# Altium PCB PCB1.PcbDoc (part 13 of 15) (continued)
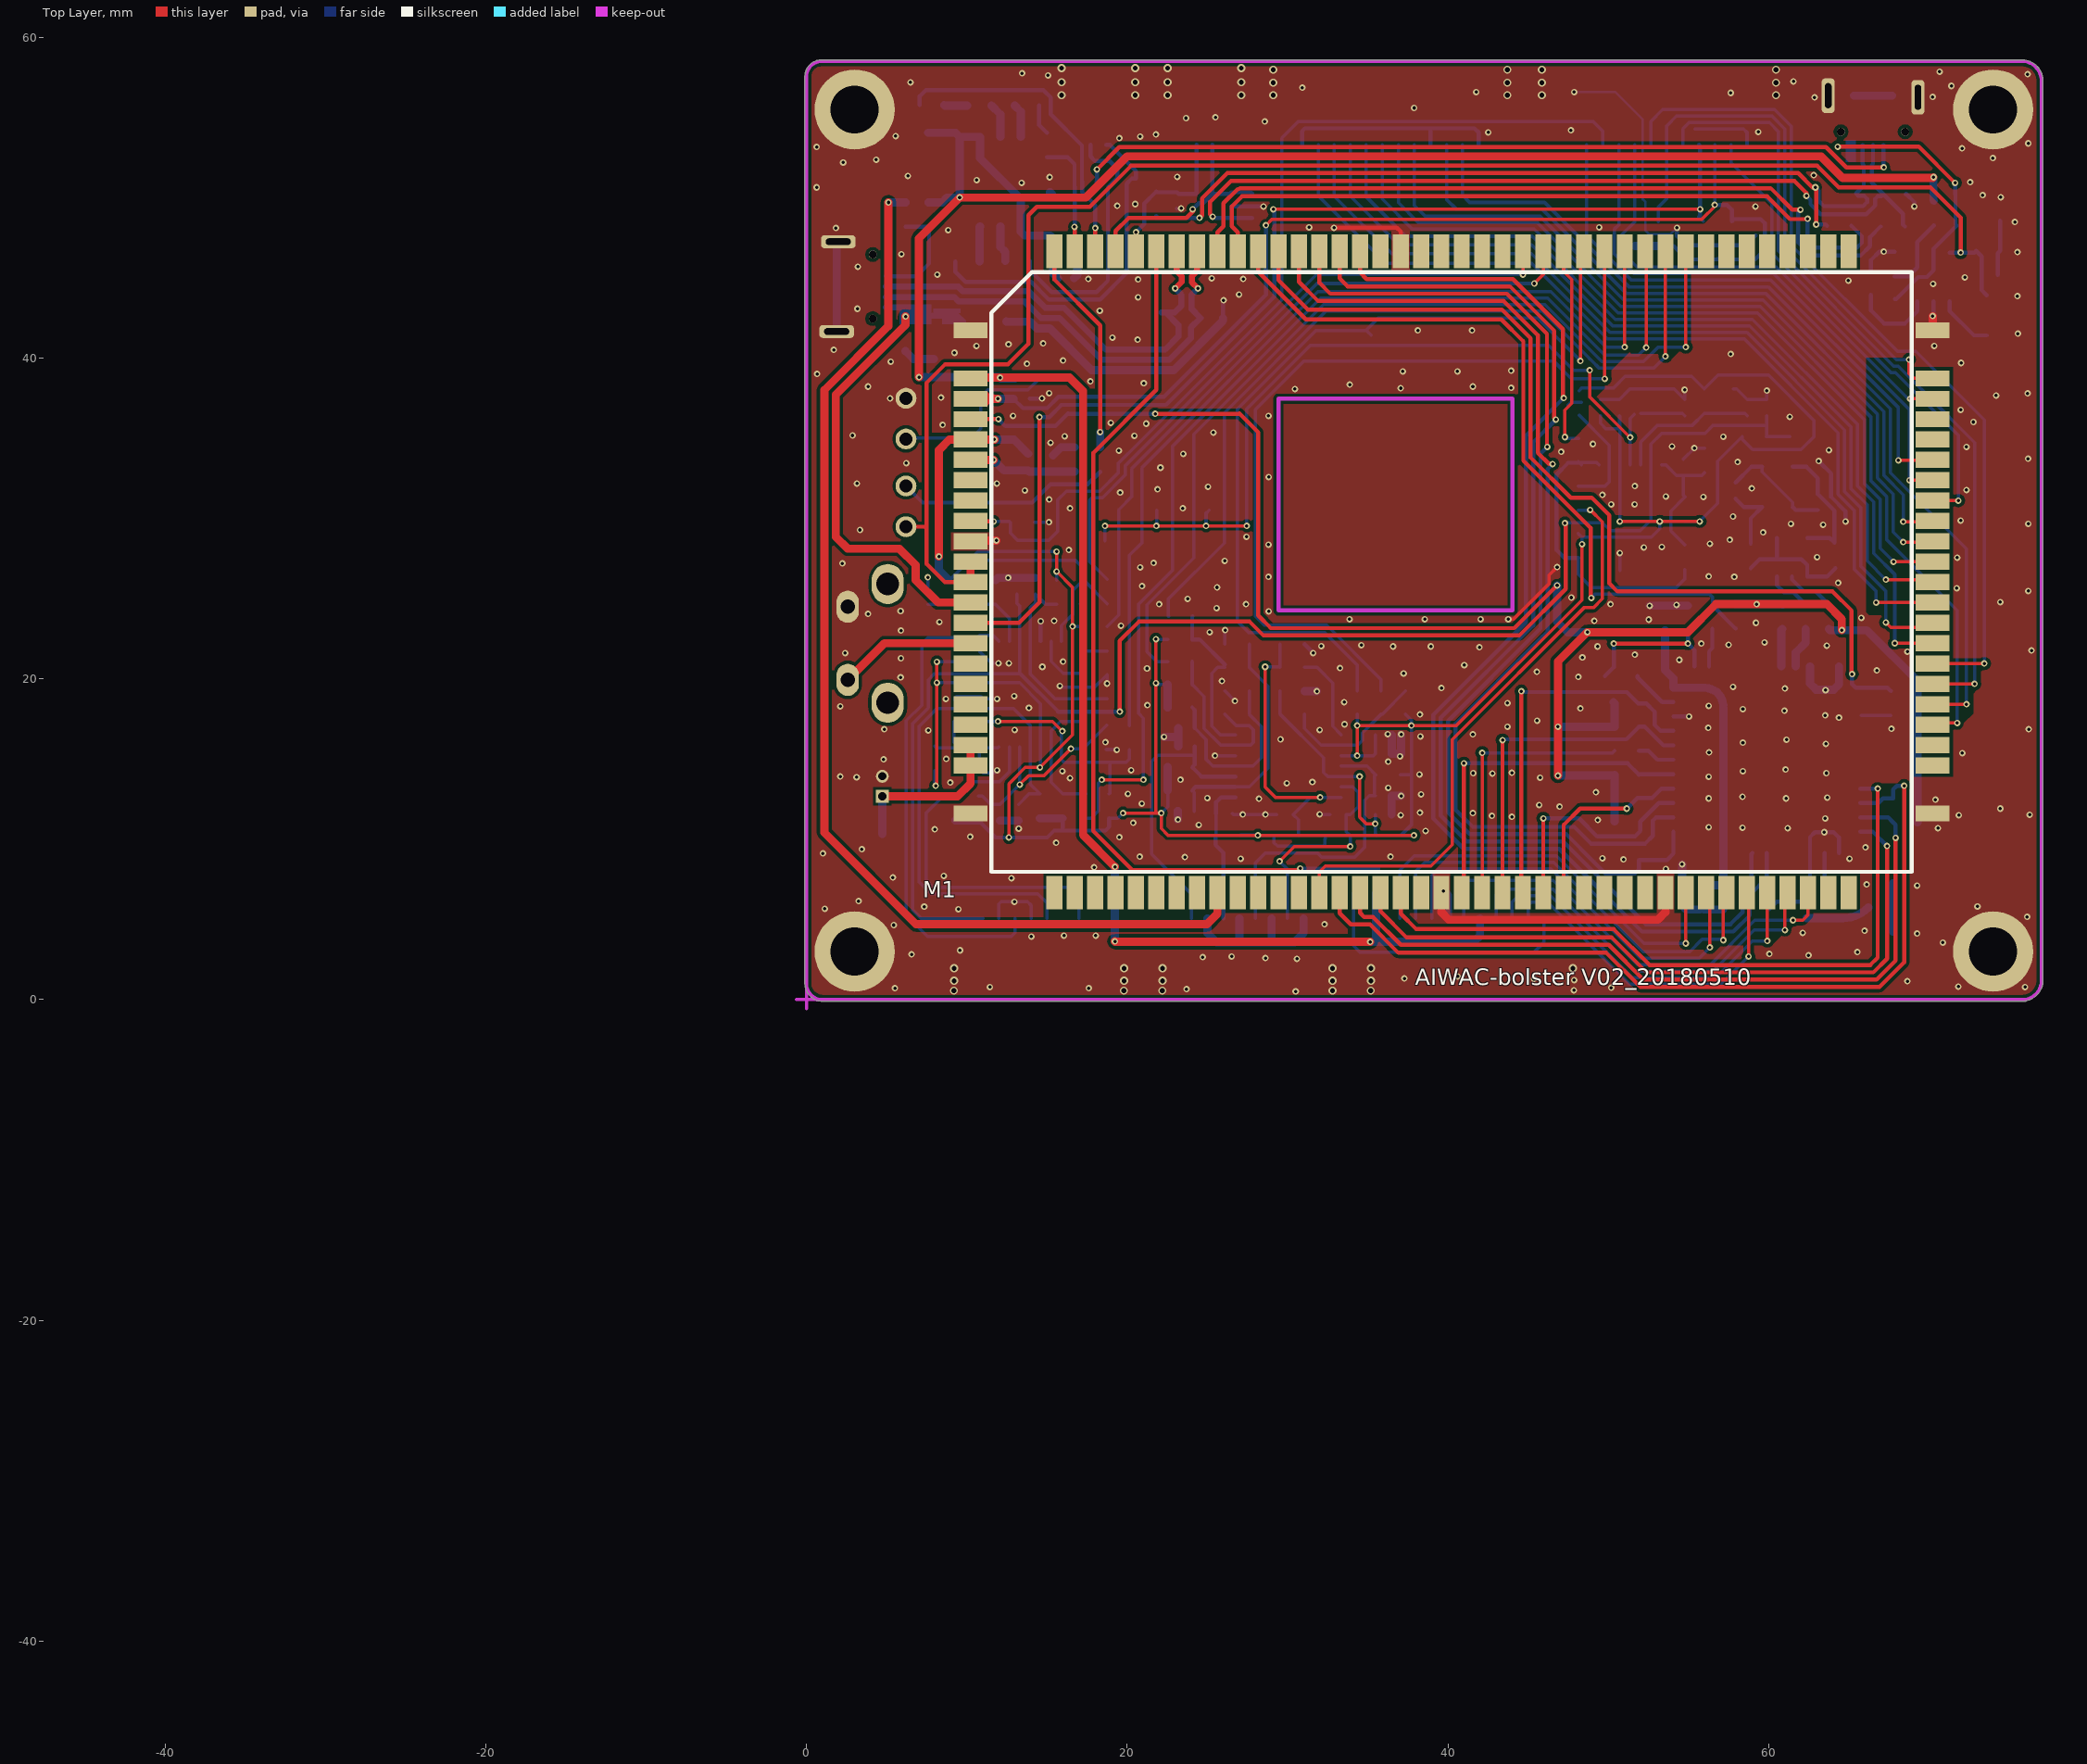
[diagram p0: Top Layer view]
## Free pads (board coordinates) (continued)
1(-45.226,-44.018) 1(-45.226,-44.018) 1(-45.224,-44.014) 1(-45.224,-44.014) 1(-45.224,-44.014) 1(-45.224,-44.012) 1(-45.224,-44.012) 1(-45.224,-44.012) 1(-45.224,-44.012) 1(-45.224,-44.012) 1(-45.224,-44.012) 1(-45.224,-44.005) 1(-45.224,-44.005) 1(-45.224,-44.005) 1(-45.224,-44.005) 1(-45.224,-44.005) 1(-45.224,-44.005) 1(-45.223,-43.975) 1(-45.223,-43.975) 1(-45.223,-43.975) 1(-45.223,-43.975) 1(-45.223,-43.975) 1(-45.223,-43.975) 1(-45.223,-43.974) 1(-45.223,-43.974) 1(-45.223,-43.974) 1(-45.223,-43.975) 1(-45.223,-43.975) 1(-45.223,-43.975)
  round 0.001 on Mech10: 1(-45.291,-44.005) 1(-45.291,-44.005) 1(-45.291,-44.005) 1(-45.291,-44) 1(-45.291,-44) 1(-45.291,-44) 1(-45.289,-44.011) 1(-45.289,-44.011) 1(-45.289,-44.011) 1(-45.287,-43.995) 1(-45.287,-43.995) 1(-45.287,-43.995) 1(-45.287,-43.993) 1(-45.287,-43.993) 1(-45.287,-43.993) 1(-45.287,-43.99) 1(-45.287,-43.99) 1(-45.287,-43.99) 1(-45.287,-43.987) 1(-45.287,-43.987) 1(-45.287,-43.987)
  round 0.002 on Mech14: 1(-45.291,-44.005) 1(-45.291,-44.005) 1(-45.291,-44.005) 1(-45.291,-44.005) 1(-45.291,-44.005) 1(-45.291,-44.005) 1(-45.291,-44.001) 1(-45.291,-44.001) 1(-45.291,-44.001) 1(-45.291,-44) 1(-45.291,-44) 1(-45.291,-44) 1(-45.289,-44.007) 1(-45.289,-44.007) 1(-45.289,-44.007) 1(-45.289,-44.006) 1(-45.289,-44.006) 1(-45.289,-44.006) 1(-45.289,-43.999) 1(-45.289,-43.999) 1(-45.289,-43.999) 1(-45.289,-43.999) 1(-45.289,-43.999) 1(-45.289,-43.999) 1(-45.287,-43.995) 1(-45.287,-43.995) 1(-45.287,-43.995) 1(-45.287,-43.993) 1(-45.287,-43.993) 1(-45.287,-43.993) 1(-45.287,-43.99) 1(-45.287,-43.99) 1(-45.287,-43.99) 1(-45.287,-43.987) 1(-45.287,-43.987) 1(-45.287,-43.987)
  round 0.002 on Mech15: 1(-45.291,-44.005) 1(-45.291,-44.005) 1(-45.291,-44.005) 1(-45.291,-44.005) 1(-45.291,-44.005) 1(-45.291,-44.005) 1(-45.291,-44.001) 1(-45.291,-44.001) 1(-45.291,-44.001) 1(-45.291,-44) 1(-45.291,-44) 1(-45.291,-44) 1(-45.289,-44.007) 1(-45.289,-44.007) 1(-45.289,-44.007) 1(-45.289,-44.006) 1(-45.289,-44.006) 1(-45.289,-44.006) 1(-45.289,-43.999) 1(-45.289,-43.999) 1(-45.289,-43.999) 1(-45.289,-43.999) 1(-45.289,-43.999) 1(-45.289,-43.999) 1(-45.287,-43.995) 1(-45.287,-43.995) 1(-45.287,-43.995) 1(-45.287,-43.993) 1(-45.287,-43.993) 1(-45.287,-43.993) 1(-45.287,-43.99) 1(-45.287,-43.99) 1(-45.287,-43.99) 1(-45.287,-43.987) 1(-45.287,-43.987) 1(-45.287,-43.987)
  round 0.001 on Mech16: 1(-45.291,-44.005) 1(-45.291,-44.005) 1(-45.291,-44.005) 1(-45.291,-44) 1(-45.291,-44) 1(-45.291,-44) 1(-45.287,-43.995) 1(-45.287,-43.995) 1(-45.287,-43.995) 1(-45.287,-43.993) 1(-45.287,-43.993) 1(-45.287,-43.993) 1(-45.287,-43.99) 1(-45.287,-43.99) 1(-45.287,-43.99) 1(-45.287,-43.987) 1(-45.287,-43.987) 1(-45.287,-43.987)
  round 0.005 on Mech3: 1(-45.291,-44.022) 1(-45.291,-44.022) 1(-45.291,-44.022) 1(-45.291,-43.969) 1(-45.291,-43.969) 1(-45.291,-43.969) 1(-45.22,-44.022) 1(-45.22,-44.022) 1(-45.22,-44.022) 1(-45.22,-43.969) 1(-45.22,-43.969) 1(-45.22,-43.969)
  round 0.005 on Mech2: 1(-45.291,-44.022) 1(-45.291,-44.022) 1(-45.291,-44.022) 1(-45.291,-43.969) 1(-45.291,-43.969) 1(-45.291,-43.969) 1(-45.22,-44.022) 1(-45.22,-44.022) 1(-45.22,-44.022) 1(-45.22,-43.969) 1(-45.22,-43.969) 1(-45.22,-43.969)
  round 0.005 on Mech10: 1(-45.291,-44.022) 1(-45.291,-44.022) 1(-45.291,-44.022) 1(-45.291,-43.969) 1(-45.291,-43.969) 1(-45.291,-43.969) 1(-45.22,-44.022) 1(-45.22,-44.022) 1(-45.22,-44.022) 1(-45.22,-43.969) 1(-45.22,-43.969) 1(-45.22,-43.969)
  round 0.005 on Mech14: 1(-45.291,-44.022) 1(-45.291,-44.022) 1(-45.291,-44.022) 1(-45.291,-43.969) 1(-45.291,-43.969) 1(-45.291,-43.969) 1(-45.22,-44.022) 1(-45.22,-44.022) 1(-45.22,-44.022) 1(-45.22,-43.969) 1(-45.22,-43.969) 1(-45.22,-43.969)
  round 0.005 on Mech15: 1(-45.291,-44.022) 1(-45.291,-44.022) 1(-45.291,-44.022) 1(-45.291,-43.969) 1(-45.291,-43.969) 1(-45.291,-43.969) 1(-45.22,-44.022) 1(-45.22,-44.022) 1(-45.22,-44.022) 1(-45.22,-43.969) 1(-45.22,-43.969) 1(-45.22,-43.969)
  round 0 on Mech5: 1(-45.29,-44.017) 1(-45.29,-44.017) 1(-45.29,-44.017) 1(-45.29,-44.017) 1(-45.29,-44.017) 1(-45.29,-44.017) 1(-45.29,-44.014) 1(-45.29,-44.014) 1(-45.29,-44.014) 1(-45.29,-44.014) 1(-45.29,-44.014) 1(-45.29,-44.014) 1(-45.289,-44.015) 1(-45.289,-44.015) 1(-45.289,-44.015) 1(-45.289,-44.016) 1(-45.289,-44.016) 1(-45.289,-44.016) 1(-45.289,-44.015) 1(-45.289,-44.015) 1(-45.289,-44.015) 1(-45.288,-44.015) 1(-45.288,-44.015) 1(-45.288,-44.015) 1(-45.288,-44.017) 1(-45.288,-44.017) 1(-45.288,-44.017) 1(-45.288,-44.017) 1(-45.288,-44.017) 1(-45.288,-44.017) 1(-45.288,-44.014) 1(-45.288,-44.014) 1(-45.288,-44.014) 1(-45.288,-44.014) 1(-45.288,-44.014) 1(-45.288,-44.014) 1(-45.287,-43.972) 1(-45.287,-43.972) 1(-45.287,-43.972) 1(-45.286,-43.984) 1(-45.286,-43.984) 1(-45.286,-43.984) 1(-45.286,-43.973) 1(-45.286,-43.973) 1(-45.286,-43.973) 1(-45.286,-43.972) 1(-45.286,-43.972) 1(-45.286,-43.972) 1(-45.286,-43.984) 1(-45.286,-43.984) 1(-45.286,-43.984) 1(-45.286,-43.983) 1(-45.286,-43.983) 1(-45.286,-43.983) 1(-45.286,-43.972) 1(-45.286,-43.972) 1(-45.286,-43.972) 1(-45.285,-43.984) 1(-45.285,-43.984) 1(-45.285,-43.984) 1(-45.283,-43.983) 1(-45.283,-43.983) 1(-45.283,-43.983) 1(-45.283,-43.983) 1(-45.283,-43.983) 1(-45.283,-43.983) 1(-45.283,-43.982) 1(-45.283,-43.982) 1(-45.283,-43.982) 1(-45.282,-43.983) 1(-45.282,-43.983) 1(-45.282,-43.983) 1(-45.282,-43.996) 1(-45.282,-43.996) 1(-45.282,-43.996) 1(-45.282,-43.996) 1(-45.282,-43.996) 1(-45.282,-43.996) 1(-45.282,-43.994) 1(-45.282,-43.994) 1(-45.282,-43.994) 1(-45.282,-43.994) 1(-45.282,-43.994) 1(-45.282,-43.994) 1(-45.281,-43.995) 1(-45.281,-43.995) 1(-45.281,-43.995) 1(-45.28,-43.996) 1(-45.28,-43.996) 1(-45.28,-43.996) 1(-45.28,-43.995) 1(-45.28,-43.995) 1(-45.28,-43.995) 1(-45.28,-43.995) 1(-45.28,-43.995) 1(-45.28,-43.995) 1(-45.279,-43.976) 1(-45.279,-43.976) 1(-45.279,-43.976) 1(-45.279,-43.996) 1(-45.279,-43.996) 1(-45.279,-43.996) 1(-45.279,-43.996) 1(-45.279,-43.996) 1(-45.279,-43.996) 1(-45.279,-43.994) 1(-45.279,-43.994) 1(-45.279,-43.994) 1(-45.279,-43.994) 1(-45.279,-43.994) 1(-45.279,-43.994) 1(-45.278,-43.976) 1(-45.278,-43.976) 1(-45.278,-43.976) 1(-45.278,-43.975) 1(-45.278,-43.975) 1(-45.278,-43.975) 1(-45.278,-43.976) 1(-45.278,-43.976) 1(-45.278,-43.976) 1(-45.239,-43.979) 1(-45.239,-43.979) 1(-45.239,-43.979) 1(-45.239,-43.979) 1(-45.239,-43.979) 1(-45.239,-43.979) 1(-45.239,-43.976) 1(-45.239,-43.976) 1(-45.239,-43.976) 1(-45.239,-43.976) 1(-45.239,-43.976) 1(-45.239,-43.976) 1(-45.238,-43.977) 1(-45.238,-43.977) 1(-45.238,-43.977) 1(-45.238,-43.978) 1(-45.238,-43.978) 1(-45.238,-43.978) 1(-45.238,-43.977) 1(-45.238,-43.977) 1(-45.238,-43.977) 1(-45.237,-43.977) 1(-45.237,-43.977) 1(-45.237,-43.977) 1(-45.237,-43.979) 1(-45.237,-43.979) 1(-45.237,-43.979) 1(-45.237,-43.979) 1(-45.237,-43.979) 1(-45.237,-43.979) 1(-45.237,-43.976) 1(-45.237,-43.976) 1(-45.237,-43.976) 1(-45.237,-43.976) 1(-45.237,-43.976) 1(-45.237,-43.976) 1(-45.237,-43.979) 1(-45.237,-43.979) 1(-45.237,-43.979) 1(-45.237,-43.979) 1(-45.237,-43.979) 1(-45.237,-43.979) 1(-45.237,-43.976) 1(-45.237,-43.976) 1(-45.237,-43.976) 1(-45.237,-43.976) 1(-45.237,-43.976) 1(-45.237,-43.976) 1(-45.236,-43.977) 1(-45.236,-43.977) 1(-45.236,-43.977) 1(-45.236,-43.978) 1(-45.236,-43.978) 1(-45.236,-43.978) 1(-45.236,-43.977) 1(-45.236,-43.977) 1(-45.236,-43.977) 1(-45.235,-43.977) 1(-45.235,-43.977) 1(-45.235,-43.977) 1(-45.235,-43.979) 1(-45.235,-43.979) 1(-45.235,-43.979) 1(-45.235,-43.979) 1(-45.235,-43.979) 1(-45.235,-43.979) 1(-45.235,-43.976) 1(-45.235,-43.976) 1(-45.235,-43.976) 1(-45.235,-43.976) 1(-45.235,-43.976) 1(-45.235,-43.976) 1(-45.221,-43.979) 1(-45.221,-43.979) 1(-45.221,-43.979) 1(-45.221,-43.979) 1(-45.221,-43.979) 1(-45.221,-43.979) 1(-45.221,-43.977) 1(-45.221,-43.977) 1(-45.221,-43.977) 1(-45.221,-43.977) 1(-45.221,-43.977) 1(-45.221,-43.977) 1(-45.221,-43.976) 1(-45.221,-43.976) 1(-45.221,-43.976) 1(-45.221,-43.977) 1(-45.221,-43.977) 1(-45.221,-43.977) 1(-45.221,-43.976) 1(-45.221,-43.976) 1(-45.221,-43.976) 1(-45.22,-43.978) 1(-45.22,-43.978) 1(-45.22,-43.978) 1(-45.22,-43.976) 1(-45.22,-43.976) 1(-45.22,-43.976) 1(-45.22,-43.979) 1(-45.22,-43.979) 1(-45.22,-43.979) 1(-45.22,-43.978) 1(-45.22,-43.978) 1(-45.22,-43.978) 1(-45.219,-43.978) 1(-45.219,-43.978) 1(-45.219,-43.978) 1(-45.219,-43.979) 1(-45.219,-43.979) 1(-45.219,-43.979) 1(-45.219,-43.979) 1(-45.219,-43.979) 1(-45.219,-43.979) 1(-45.219,-43.977) 1(-45.219,-43.977) 1(-45.219,-43.977) 1(-45.219,-43.977) 1(-45.219,-43.977) 1(-45.219,-43.977)
  round 0 on Mech4: 1(-45.29,-44.016) 1(-45.29,-44.016) 1(-45.29,-44.016) 1(-45.29,-44.016) 1(-45.29,-44.016) 1(-45.29,-44.016) 1(-45.29,-44.014) 1(-45.29,-44.014) 1(-45.29,-44.014) 1(-45.29,-44.014) 1(-45.29,-44.014) 1(-45.29,-44.014) 1(-45.288,-44.016) 1(-45.288,-44.016) 1(-45.288,-44.016) 1(-45.288,-44.016) 1(-45.288,-44.016) 1(-45.288,-44.016) 1(-45.288,-44.014) 1(-45.288,-44.014) 1(-45.288,-44.014) 1(-45.288,-44.014) 1(-45.288,-44.014) 1(-45.288,-44.014) 1(-45.287,-43.974) 1(-45.287,-43.974) 1(-45.287,-43.974) 1(-45.287,-43.974) 1(-45.287,-43.974) 1(-45.287,-43.974) 1(-45.287,-43.971) 1(-45.287,-43.971) 1(-45.287,-43.971) 1(-45.287,-43.971) 1(-45.287,-43.971) 1(-45.287,-43.971) 1(-45.287,-43.985) 1(-45.287,-43.985) 1(-45.287,-43.985) 1(-45.287,-43.985) 1(-45.287,-43.985) 1(-45.287,-43.985) 1(-45.287,-43.982) 1(-45.287,-43.982) 1(-45.287,-43.982) 1(-45.287,-43.982) 1(-45.287,-43.982) 1(-45.287,-43.982) 1(-45.285,-43.974) 1(-45.285,-43.974) 1(-45.285,-43.974) 1(-45.285,-43.974) 1(-45.285,-43.974) 1(-45.285,-43.974) 1(-45.285,-43.971) 1(-45.285,-43.971) 1(-45.285,-43.971) 1(-45.285,-43.971) 1(-45.285,-43.971) 1(-45.285,-43.971) 1(-45.285,-43.985) 1(-45.285,-43.985) 1(-45.285,-43.985) 1(-45.285,-43.985) 1(-45.285,-43.985) 1(-45.285,-43.985) 1(-45.285,-43.982) 1(-45.285,-43.982) 1(-45.285,-43.982) 1(-45.285,-43.982) 1(-45.285,-43.982) 1(-45.285,-43.982) 1(-45.284,-43.984) 1(-45.284,-43.984) 1(-45.284,-43.984) 1(-45.284,-43.984) 1(-45.284,-43.984) 1(-45.284,-43.984) 1(-45.284,-43.982) 1(-45.284,-43.982) 1(-45.284,-43.982) 1(-45.284,-43.982) 1(-45.284,-43.982) 1(-45.284,-43.982) 1(-45.281,-43.996) 1(-45.281,-43.996) 1(-45.281,-43.996) 1(-45.281,-43.996) 1(-45.281,-43.996) 1(-45.281,-43.996) 1(-45.281,-43.994) 1(-45.281,-43.994) 1(-45.281,-43.994) 1(-45.281,-43.994) 1(-45.281,-43.994) 1(-45.281,-43.994) 1(-45.281,-43.984) 1(-45.281,-43.984) 1(-45.281,-43.984) 1(-45.281,-43.984) 1(-45.281,-43.984) 1(-45.281,-43.984) 1(-45.281,-43.982) 1(-45.281,-43.982) 1(-45.281,-43.982) 1(-45.281,-43.982) 1(-45.281,-43.982) 1(-45.281,-43.982) 1(-45.279,-43.978) 1(-45.279,-43.978) 1(-45.279,-43.978) 1(-45.279,-43.978) 1(-45.279,-43.978) 1(-45.279,-43.978) 1(-45.279,-43.974) 1(-45.279,-43.974) 1(-45.279,-43.974) 1(-45.279,-43.974) 1(-45.279,-43.974) 1(-45.279,-43.974) 1(-45.279,-43.996) 1(-45.279,-43.996) 1(-45.279,-43.996) 1(-45.279,-43.996) 1(-45.279,-43.996) 1(-45.279,-43.996) 1(-45.279,-43.994) 1(-45.279,-43.994) 1(-45.279,-43.994) 1(-45.279,-43.994) 1(-45.279,-43.994) 1(-45.279,-43.994) 1(-45.278,-43.978) 1(-45.278,-43.978) 1(-45.278,-43.978) 1(-45.278,-43.978) 1(-45.278,-43.978) 1(-45.278,-43.978) 1(-45.278,-43.974) 1(-45.278,-43.974) 1(-45.278,-43.974) 1(-45.278,-43.974) 1(-45.278,-43.974) 1(-45.278,-43.974) 1(-45.238,-43.978) 1(-45.238,-43.978) 1(-45.238,-43.978) 1(-45.238,-43.978) 1(-45.238,-43.978) 1(-45.238,-43.978) 1(-45.238,-43.976) 1(-45.238,-43.976) 1(-45.238,-43.976) 1(-45.238,-43.976) 1(-45.238,-43.976) 1(-45.238,-43.976) 1(-45.237,-43.978) 1(-45.237,-43.978) 1(-45.237,-43.978) 1(-45.237,-43.978) 1(-45.237,-43.978) 1(-45.237,-43.978) 1(-45.237,-43.976) 1(-45.237,-43.976) 1(-45.237,-43.976) 1(-45.237,-43.976) 1(-45.237,-43.976) 1(-45.237,-43.976) 1(-45.237,-43.978) 1(-45.237,-43.978) 1(-45.237,-43.978) 1(-45.237,-43.978) 1(-45.237,-43.978) 1(-45.237,-43.978) 1(-45.237,-43.976) 1(-45.237,-43.976) 1(-45.237,-43.976) 1(-45.237,-43.976) 1(-45.237,-43.976) 1(-45.237,-43.976) 1(-45.235,-43.978) 1(-45.235,-43.978) 1(-45.235,-43.978) 1(-45.235,-43.978) 1(-45.235,-43.978) 1(-45.235,-43.978) 1(-45.235,-43.976) 1(-45.235,-43.976) 1(-45.235,-43.976) 1(-45.235,-43.976) 1(-45.235,-43.976) 1(-45.235,-43.976) 1(-45.222,-43.977) 1(-45.222,-43.977) 1(-45.222,-43.977) 1(-45.222,-43.977) 1(-45.222,-43.977) 1(-45.222,-43.977) 1(-45.222,-43.975) 1(-45.222,-43.975) 1(-45.222,-43.975) 1(-45.222,-43.975) 1(-45.222,-43.975) 1(-45.222,-43.975) 1(-45.221,-43.979) 1(-45.221,-43.979) 1(-45.221,-43.979) 1(-45.221,-43.979) 1(-45.221,-43.979) 1(-45.221,-43.979) 1(-45.221,-43.978) 1(-45.221,-43.978) 1(-45.221,-43.978) 1(-45.221,-43.978) 1(-45.221,-43.978) 1(-45.221,-43.978) 1(-45.219,-43.977) 1(-45.219,-43.977) 1(-45.219,-43.977) 1(-45.219,-43.977) 1(-45.219,-43.977) 1(-45.219,-43.977) 1(-45.219,-43.975) 1(-45.219,-43.975) 1(-45.219,-43.975) 1(-45.219,-43.975) 1(-45.219,-43.975) 1(-45.219,-43.975) 1(-45.219,-43.979) 1(-45.219,-43.979) 1(-45.219,-43.979) 1(-45.219,-43.979) 1(-45.219,-43.979) 1(-45.219,-43.979) 1(-45.219,-43.978) 1(-45.219,-43.978) 1(-45.219,-43.978) 1(-45.219,-43.978) 1(-45.219,-43.978) 1(-45.219,-43.978)
  round 0.002 on Mech3: 1(-45.289,-44.007) 1(-45.289,-44.007) 1(-45.289,-44.007) 1(-45.289,-44.006) 1(-45.289,-44.006) 1(-45.289,-44.006) 1(-45.289,-43.999) 1(-45.289,-43.999) 1(-45.289,-43.999) 1(-45.289,-43.999) 1(-45.289,-43.999) 1(-45.289,-43.999)
  round 0.002 on Mech2: 1(-45.289,-44.007) 1(-45.289,-44.007) 1(-45.289,-44.007) 1(-45.289,-44.006) 1(-45.289,-44.006) 1(-45.289,-44.006) 1(-45.289,-43.999) 1(-45.289,-43.999) 1(-45.289,-43.999) 1(-45.289,-43.999) 1(-45.289,-43.999) 1(-45.289,-43.999)
  round 0.002 on Mech10: 1(-45.289,-44.007) 1(-45.289,-44.007) 1(-45.289,-44.007) 1(-45.289,-44.006) 1(-45.289,-44.006) 1(-45.289,-44.006) 1(-45.289,-43.999) 1(-45.289,-43.999) 1(-45.289,-43.999) 1(-45.289,-43.999) 1(-45.289,-43.999) 1(-45.289,-43.999)
  round 0.001 on Mech13: 1(-45.284,-43.977) 1(-45.284,-43.977) 1(-45.284,-43.977) 1(-45.284,-43.976) 1(-45.284,-43.976) 1(-45.284,-43.976) 1(-45.284,-43.972) 1(-45.284,-43.972) 1(-45.284,-43.972) 1(-45.284,-43.97) 1(-45.284,-43.97) 1(-45.284,-43.97) 1(-45.283,-43.977) 1(-45.283,-43.977) 1(-45.283,-43.977) 1(-45.283,-43.976) 1(-45.283,-43.976) 1(-45.283,-43.976) 1(-45.283,-43.972) 1(-45.283,-43.972) 1(-45.283,-43.972) 1(-45.283,-43.97) 1(-45.283,-43.97) 1(-45.283,-43.97) 1(-45.282,-43.977) 1(-45.282,-43.977) 1(-45.282,-43.977) 1(-45.282,-43.976) 1(-45.282,-43.976) 1(-45.282,-43.976) 1(-45.282,-43.972) 1(-45.282,-43.972) 1(-45.282,-43.972) 1(-45.282,-43.97) 1(-45.282,-43.97) 1(-45.282,-43.97) 1(-45.28,-43.977) 1(-45.28,-43.977) 1(-45.28,-43.977) 1(-45.28,-43.976) 1(-45.28,-43.976) 1(-45.28,-43.976) 1(-45.28,-43.972) 1(-45.28,-43.972) 1(-45.28,-43.972) 1(-45.28,-43.97) 1(-45.28,-43.97) 1(-45.28,-43.97) 1(-45.233,-43.999) 1(-45.233,-43.999) 1(-45.233,-43.999) 1(-45.233,-43.998) 1(-45.233,-43.998) 1(-45.233,-43.998) 1(-45.232,-43.999) 1(-45.232,-43.999) 1(-45.232,-43.999) 1(-45.232,-43.998) 1(-45.232,-43.998) 1(-45.232,-43.998) 1(-45.232,-43.996) 1(-45.232,-43.996) 1(-45.232,-43.996) 1(-45.232,-43.996) 1(-45.232,-43.996) 1(-45.232,-43.996) 1(-45.231,-43.999) 1(-45.231,-43.999) 1(-45.231,-43.999) 1(-45.231,-43.998) 1(-45.231,-43.998) 1(-45.231,-43.998) 1(-45.231,-43.996) 1(-45.231,-43.996) 1(-45.231,-43.996) 1(-45.231,-43.996) 1(-45.231,-43.996) 1(-45.231,-43.996)
  round 0 on Mech11: 1(-45.282,-44.017) 1(-45.282,-44.017) 1(-45.282,-44.017) 1(-45.282,-44.017) 1(-45.282,-44.017) 1(-45.282,-44.017) 1(-45.282,-43.982) 1(-45.282,-43.982) 1(-45.282,-43.982) 1(-45.282,-43.982) 1(-45.282,-43.982) 1(-45.282,-43.982) 1(-45.28,-43.98) 1(-45.28,-43.98) 1(-45.28,-43.98) 1(-45.28,-43.98) 1(-45.28,-43.98) 1(-45.28,-43.98) 1(-45.225,-44.017) 1(-45.225,-44.017) 1(-45.225,-44.017) 1(-45.225,-44.017) 1(-45.225,-44.017) 1(-45.225,-44.017) 1(-45.225,-43.98) 1(-45.225,-43.98) 1(-45.225,-43.98) 1(-45.225,-43.98) 1(-45.225,-43.98) 1(-45.225,-43.98)
  round 0 on Mech13: 1(-45.282,-44.01) 1(-45.282,-44.01) 1(-45.282,-44.01) 1(-45.282,-44.009) 1(-45.282,-44.009) 1(-45.282,-44.009) 1(-45.282,-44.003) 1(-45.282,-44.003) 1(-45.282,-44.003) 1(-45.281,-44.01) 1(-45.281,-44.01) 1(-45.281,-44.01) 1(-45.281,-44.009) 1(-45.281,-44.009) 1(-45.281,-44.009) 1(-45.281,-44.003) 1(-45.281,-44.003) 1(-45.281,-44.003) 1(-45.28,-44.01) 1(-45.28,-44.01) 1(-45.28,-44.01) 1(-45.28,-44.009) 1(-45.28,-44.009) 1(-45.28,-44.009) 1(-45.28,-44.003) 1(-45.28,-44.003) 1(-45.28,-44.003) 1(-45.28,-44.01) 1(-45.28,-44.01) 1(-45.28,-44.01) 1(-45.28,-44.009) 1(-45.28,-44.009) 1(-45.28,-44.009) 1(-45.28,-44.003) 1(-45.28,-44.003) 1(-45.28,-44.003) 1(-45.279,-44.01) 1(-45.279,-44.01) 1(-45.279,-44.01) 1(-45.279,-44.009) 1(-45.279,-44.009) 1(-45.279,-44.009) 1(-45.279,-44.003) 1(-45.279,-44.003) 1(-45.279,-44.003) 1(-45.278,-44.01) 1(-45.278,-44.01) 1(-45.278,-44.01) 1(-45.278,-44.009) 1(-45.278,-44.009) 1(-45.278,-44.009) 1(-45.278,-44.003) 1(-45.278,-44.003) 1(-45.278,-44.003) 1(-45.278,-44.003) 1(-45.278,-44.003) 1(-45.278,-44.003) 1(-45.266,-44.012) 1(-45.266,-44.012) 1(-45.266,-44.012) 1(-45.266,-44.012) 1(-45.266,-44.012) 1(-45.266,-44.012) 1(-45.266,-44.011) 1(-45.266,-44.011) 1(-45.266,-44.011) 1(-45.266,-44.01) 1(-45.266,-44.01) 1(-45.266,-44.01) 1(-45.266,-44.01) 1(-45.266,-44.01) 1(-45.266,-44.01) 1(-45.266,-44.009) 1(-45.266,-44.009) 1(-45.266,-44.009) 1(-45.266,-44.008) 1(-45.266,-44.008) 1(-45.266,-44.008) 1(-45.261,-44.012) 1(-45.261,-44.012) 1(-45.261,-44.012) 1(-45.261,-44.012) 1(-45.261,-44.012) 1(-45.261,-44.012) 1(-45.261,-44.011) 1(-45.261,-44.011) 1(-45.261,-44.011) 1(-45.261,-44.01) 1(-45.261,-44.01) 1(-45.261,-44.01) 1(-45.261,-44.01) 1(-45.261,-44.01) 1(-45.261,-44.01) 1(-45.261,-44.009) 1(-45.261,-44.009) 1(-45.261,-44.009) 1(-45.26,-44.012) 1(-45.26,-44.012) 1(-45.26,-44.012) 1(-45.26,-44.012) 1(-45.26,-44.012) 1(-45.26,-44.012) 1(-45.26,-44.011) 1(-45.26,-44.011) 1(-45.26,-44.011) 1(-45.26,-44.01) 1(-45.26,-44.01) 1(-45.26,-44.01) 1(-45.26,-44.01) 1(-45.26,-44.01) 1(-45.26,-44.01) 1(-45.26,-44.009) 1(-45.26,-44.009) 1(-45.26,-44.009) 1(-45.244,-43.998) 1(-45.244,-43.998) 1(-45.244,-43.998) 1(-45.244,-43.998) 1(-45.244,-43.998) 1(-45.244,-43.998) 1(-45.244,-43.992) 1(-45.244,-43.992) 1(-45.244,-43.992) 1(-45.244,-43.991) 1(-45.244,-43.991) 1(-45.244,-43.991) 1(-45.243,-43.998) 1(-45.243,-43.998) 1(-45.243,-43.998) 1(-45.243,-43.992) 1(-45.243,-43.992) 1(-45.243,-43.992) 1(-45.243,-43.991) 1(-45.243,-43.991) 1(-45.243,-43.991) 1(-45.242,-43.998) 1(-45.242,-43.998) 1(-45.242,-43.998) 1(-45.242,-43.992) 1(-45.242,-43.992) 1(-45.242,-43.992) 1(-45.242,-43.991) 1(-45.242,-43.991) 1(-45.242,-43.991) 1(-45.242,-43.998) 1(-45.242,-43.998) 1(-45.242,-43.998) 1(-45.242,-43.992) 1(-45.242,-43.992) 1(-45.242,-43.992) 1(-45.242,-43.991) 1(-45.242,-43.991) 1(-45.242,-43.991) 1(-45.241,-43.998) 1(-45.241,-43.998) 1(-45.241,-43.998) 1(-45.241,-43.992) 1(-45.241,-43.992) 1(-45.241,-43.992) 1(-45.241,-43.991) 1(-45.241,-43.991) 1(-45.241,-43.991) 1(-45.24,-43.998) 1(-45.24,-43.998) 1(-45.24,-43.998) 1(-45.24,-43.992) 1(-45.24,-43.992) 1(-45.24,-43.992) 1(-45.24,-43.991) 1(-45.24,-43.991) 1(-45.24,-43.991)
  round 0 on Mech6: 1(-45.264,-44.001) 1(-45.264,-44.001) 1(-45.264,-44.001) 1(-45.264,-44.001) 1(-45.264,-44.001) 1(-45.264,-44.001) 1(-45.264,-43.987) 1(-45.264,-43.987) 1(-45.264,-43.987) 1(-45.264,-43.987) 1(-45.264,-43.987) 1(-45.264,-43.987) 1(-45.25,-44.001) 1(-45.25,-44.001) 1(-45.25,-44.001) 1(-45.25,-44.001) 1(-45.25,-44.001) 1(-45.25,-44.001) 1(-45.25,-43.987) 1(-45.25,-43.987) 1(-45.25,-43.987) 1(-45.25,-43.987) 1(-45.25,-43.987) 1(-45.25,-43.987)
  round 0.406 hole 0.203: 4(22.987,44.348) 4(24.409,44.348)

## Via types
v1: diameter 0.406, hole 0.203, Top Layer to Bottom Layer, tented both sides, 554 vias
v2: diameter 0.508, hole 0.305, Top Layer to Bottom Layer, tented both sides, 42 vias

## Nets (pads, with @x,y where several pads share a name; then routed paths per layer and width w, separated by ;. In a path a pad name is that pad's centre, name@x,y a point inside that pad or via, vN(x,y) a via of type N, cw(c..) or ccw(c..) an arc to the next point about the centre after c; other vN are vias at no path point)
+VBS1_5V: C104.1 C105.2 J11.1 R103.2 U10.5 | length 18.4
  Top Layer w0.254: v1(64.313,53.188) 69.367,53.188 v1(71.628,50.927)
  Bottom Layer w0.254: v1(64.313,53.188) 65.112,53.188 J11.1@65.213,53.289 ; R103.2@67.869,43.688 67.957,43.688 69.328,45.06 69.875,45.06 70.282,45.466 U10.5@70.282,46.584 70.282,46.822 71.726,48.266 71.653,48.338 C105.2@71.653,50.19 71.628,50.216 v1(71.628,50.927)
AP-CK32KO: M1.110 R79.2 R80.2 | length 47.7
  Top Layer w0.254: M1.110@28.166,46.67 28.166,45.392 31.14,42.418 43.332,42.418 44.704,41.046 44.704,33.604 48.895,29.413 48.895,25.044 v1(48.946,25.044)
  Bottom Layer w0.203: v1(48.946,25.044) 49.174,25.273 56.337,25.273 56.49,25.121 R79.2@56.49,24.638
  Bottom Layer w0.254: R79.2@56.49,24.638 56.49,24.587 R80.2@57.937,23.139
AP-UART1-CTS: M1.38 U7.41 | length 44.2
  Top Layer w0.254: M1.38@37.056,6.67 37.056,5.362 38.024,4.394 50.343,4.394 52.578,2.159 66.345,2.159 66.802,2.616 v1(66.802,13.157)
  Bottom Layer w0.254: U7.41@65.71,13.157 v1(66.802,13.157)
AP-UART1-RTS: M1.37 U7.44 | length 43.8
  Top Layer w0.254: M1.37@35.786,6.67 35.786,5.514 37.427,3.873 50.217,3.873 52.389,1.702 66.534,1.702 67.386,2.554 v1(67.386,9.576)
  Bottom Layer w0.254: U7.44@65.71,10.457 66.505,10.457 v1(67.386,9.576)
AP-UART1-RX: M1.35 R72.2 U7.42 | length 53.6
  Top Layer w0.254: M1.35@33.246,6.67 33.246,5.387 33.947,4.686 35.143,4.686 36.908,2.921 49.876,2.921 52.01,0.787 66.913,0.787 68.453,2.327 v1(68.453,13.335)
  Bottom Layer w0.254: U7.42@65.71,12.257 66.842,12.257 67.132,12.548 R72.2@67.767,12.548 67.767,13.106 67.996,13.335 v1(68.453,13.335)
AP-UART1-TX: M1.36 R73.2 U7.43 | length 47.7
  Top Layer w0.254: M1.36@34.516,6.67 34.516,5.413 34.785,5.143 35.333,5.143 37.06,3.416 50.028,3.416 52.199,1.245 66.724,1.245 67.92,2.441 v1(67.92,10.084)
  Bottom Layer w0.254: U7.43@65.71,11.357 67.459,11.357 R73.2@67.767,11.049 67.92,10.897 v1(67.92,10.084)
AVDD-CSI: C29.1 J2.3 M1.8 | length 59.6
  Top Layer w0.254: M1.8@10.231,29.845 10.256,29.82 v1(11.659,29.82)
  Bottom Layer w0.203: v1(11.659,29.82) C29.1@12.661,29.82 ; C29.1@12.712,29.769 12.712,29.096 13.183,28.626 15.088,28.626 15.646,29.185 15.646,31.14 16.205,31.699 18.287,31.699 19.456,32.868 19.456,33.452 20.65,34.646 20.657,34.646 29.642,43.63 29.642,53.721 30.683,54.762 49.047,54.762 49.654,54.156 J2.3@49.654,53.3
BT-HOST-WAKE: M1.106 U7.7 | length 75.6
  Top Layer w0.254: M1.106@33.246,46.67 33.246,44.976 33.747,44.475 43.861,44.475 46.634,41.702 46.634,36.271 v1(46.736,36.17)
  Bottom Layer w0.254: v1(46.736,36.17) 45.314,34.747 45.314,23.333 39.548,17.567 39.548,11.483 41.176,9.855 47.193,9.855 48.641,8.407 48.641,8.403 52.345,4.699 57.62,4.699 58.369,5.448 58.369,6.88 58.938,7.448 58.938,9.085 U7.7@58.985,9.132
BT-RST-N: M1.109 R74.1 U7.34 | length 60.1
  Top Layer w0.254: M1.109@29.436,46.67 29.436,44.859 31.267,43.028 43.369,43.028 45.161,41.236 45.161,33.794 47.662,31.293 48.971,31.293 50.069,30.195 50.069,25.953 50.571,25.451 63.983,25.451 65.176,24.257 65.176,20.32 v1(65.202,20.295)
  Bottom Layer w0.254: v1(65.202,20.295) 65.202,19.685 65.43,19.457 U7.34@65.71,19.457 67.411,19.457 R74.1@67.615,19.253
BT-WAKE: M1.105 R77.1 U7.6 | length 77
  Top Layer w0.203: M1.105@34.516,46.67 M1.105@34.519,46.667
  Top Layer w0.254: M1.105@34.516,46.67 34.516,45.342 34.925,44.933 44.051,44.933 47.168,41.815 47.168,37.567 v1(47.219,37.516)
  Bottom Layer w0.254: v1(47.219,37.516) 44.856,35.154 44.856,23.522 39.091,17.756 39.091,11.294 40.986,9.398 46.947,9.398 52.103,4.242 57.809,4.242 58.826,5.259 58.826,6.528 59.459,7.16 R77.1@60.043,7.16 ; R77.1@59.885,7.318 U7.6@59.885,9.132
CHGLED: M1.120 R83.2 | length 13.4
  Top Layer w0.203: M1.120@15.466,46.101 M1.120@15.466,46.67
  Top Layer w0.254: M1.120@15.466,46.101 15.466,44.884 18.313,42.037 v1(18.313,35.382)
  Bottom Layer w0.508: R83.2@18.313,34.442 v1(18.313,35.382)
DOVDD-CSI: C23.1 C24.1 C25.1 J2.10 M1.2 R39.2 R50.1 | length 72.7
  Top Layer w0.203: v1(28.651,48.285) 29.032,48.666 55.836,48.666 56.642,49.472 v1(56.642,49.555)
  Top Layer w0.508: M1.2@10.231,37.465 v1(11.938,37.465)
  Bottom Layer w0.203: v1(56.642,49.555) 56.642,53.288 J2.10@56.654,53.3
  Bottom Layer w0.254: C23.1@12.903,37.465 13.487,36.881 15.011,36.881 15.723,37.592 22.286,37.592 28.651,43.958 v1(28.651,48.285) ; R39.2@53.111,46.99 54.077,46.99 54.909,46.158 56.768,46.158 56.787,46.177 56.853,46.177 56.872,46.158 59.162,46.158 59.766,46.761 59.766,48.412 59.512,48.666 C25.1@59.182,48.666 57.837,48.666 C24.1@57.709,48.538 57.709,49.251 57.404,49.555 v1(56.642,49.555)
  Bottom Layer w0.508: v1(11.938,37.465) C23.1@12.903,37.465 ; R50.1@51.664,46.99 R39.2@53.111,46.99
DVDD1V8-CSI: C28.1 J2.9 M1.13 | length 71.2
  Top Layer w0.203: v1(29.108,49.276) v1(55.728,49.276)
  Top Layer w0.254: M1.13@10.231,23.495 13.246,23.495 14.529,24.778 v1(14.529,36.322)
  Bottom Layer w0.203: C28.1@55.654,48.815 C28.1@55.931,48.538
  Bottom Layer w0.254: v1(14.529,36.322) 15.138,36.322 15.9,37.084 22.424,37.084 29.185,43.844 29.185,49.2 v1(29.108,49.276) ; C28.1@55.654,48.815 55.728,48.888 v1(55.728,49.276) 55.728,53.227 J2.9@55.654,53.3